# Altium PCB SNESDRONE_Direct_IO.PcbDoc
Units mm, origin at the board's own origin, x right, y up, seen from the top; angles counter-clockwise.
Board outline 106 x 114.5 mm, 2 copper layers (Top Layer, Bottom Layer), stack 1.336 mm thick; 28 components, 86 nets, 324 pads, 117 vias.
Unrouted connection lines stored in the file: 1.
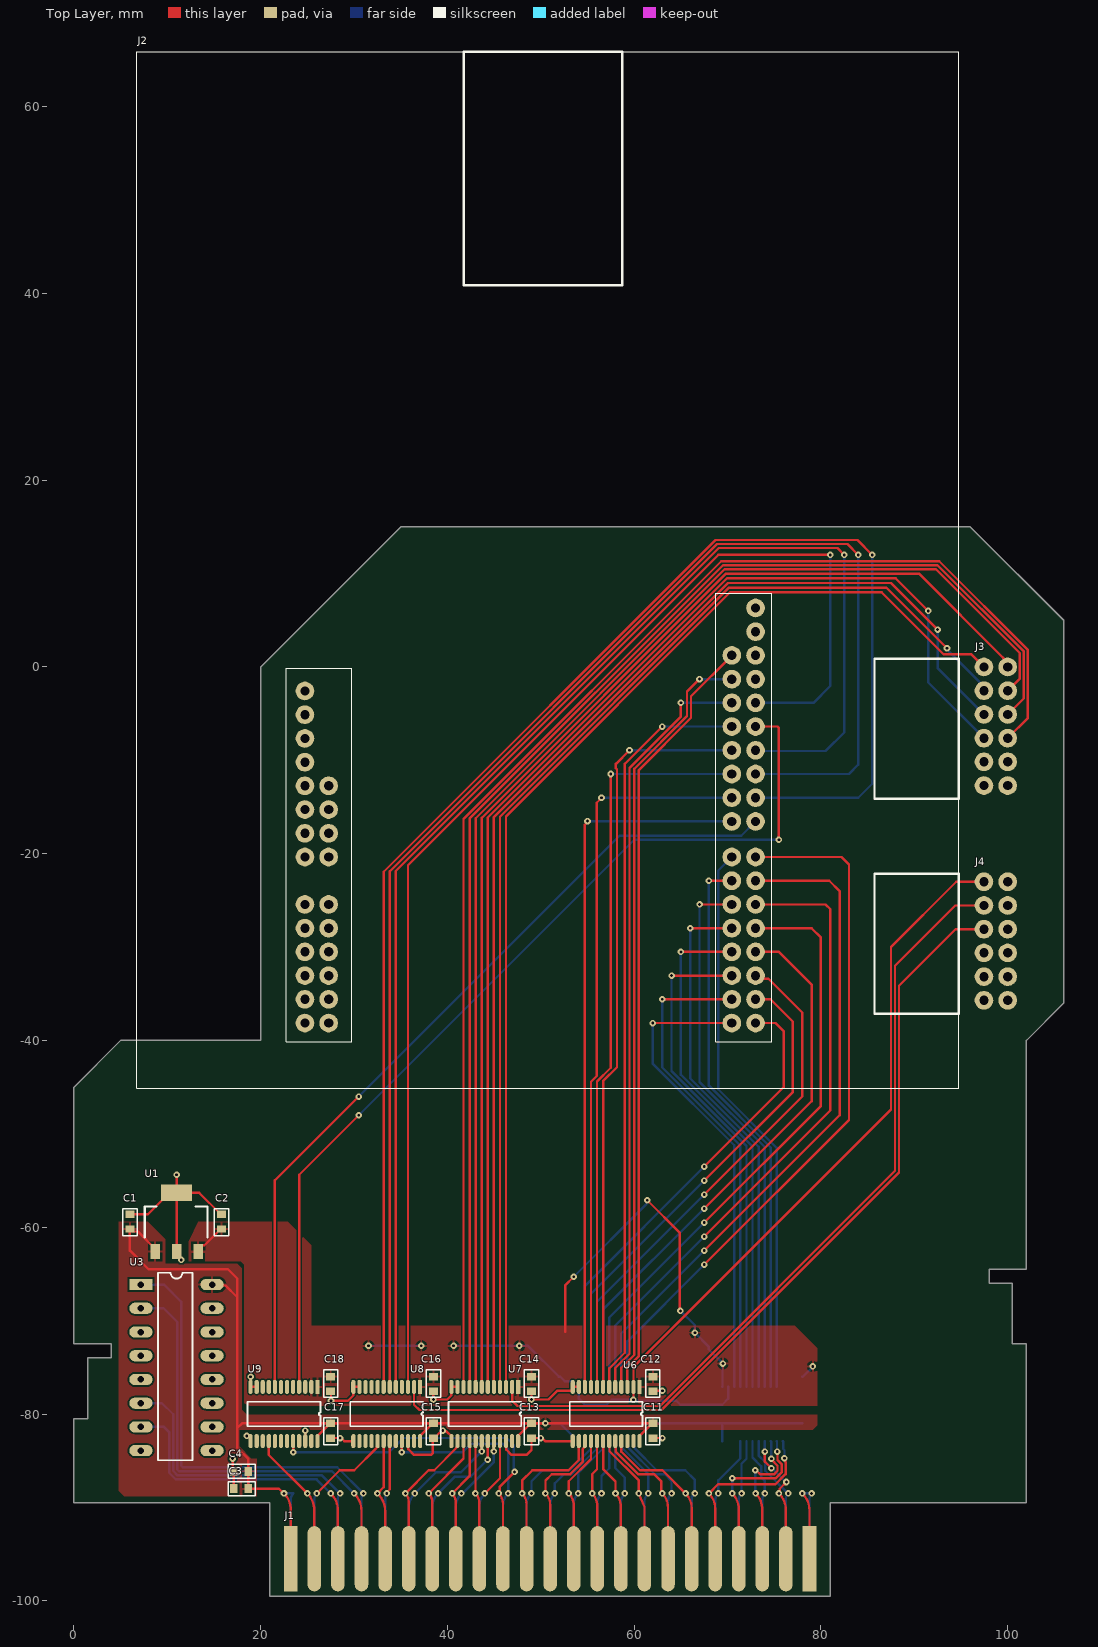
[diagram p0: Top Layer view]
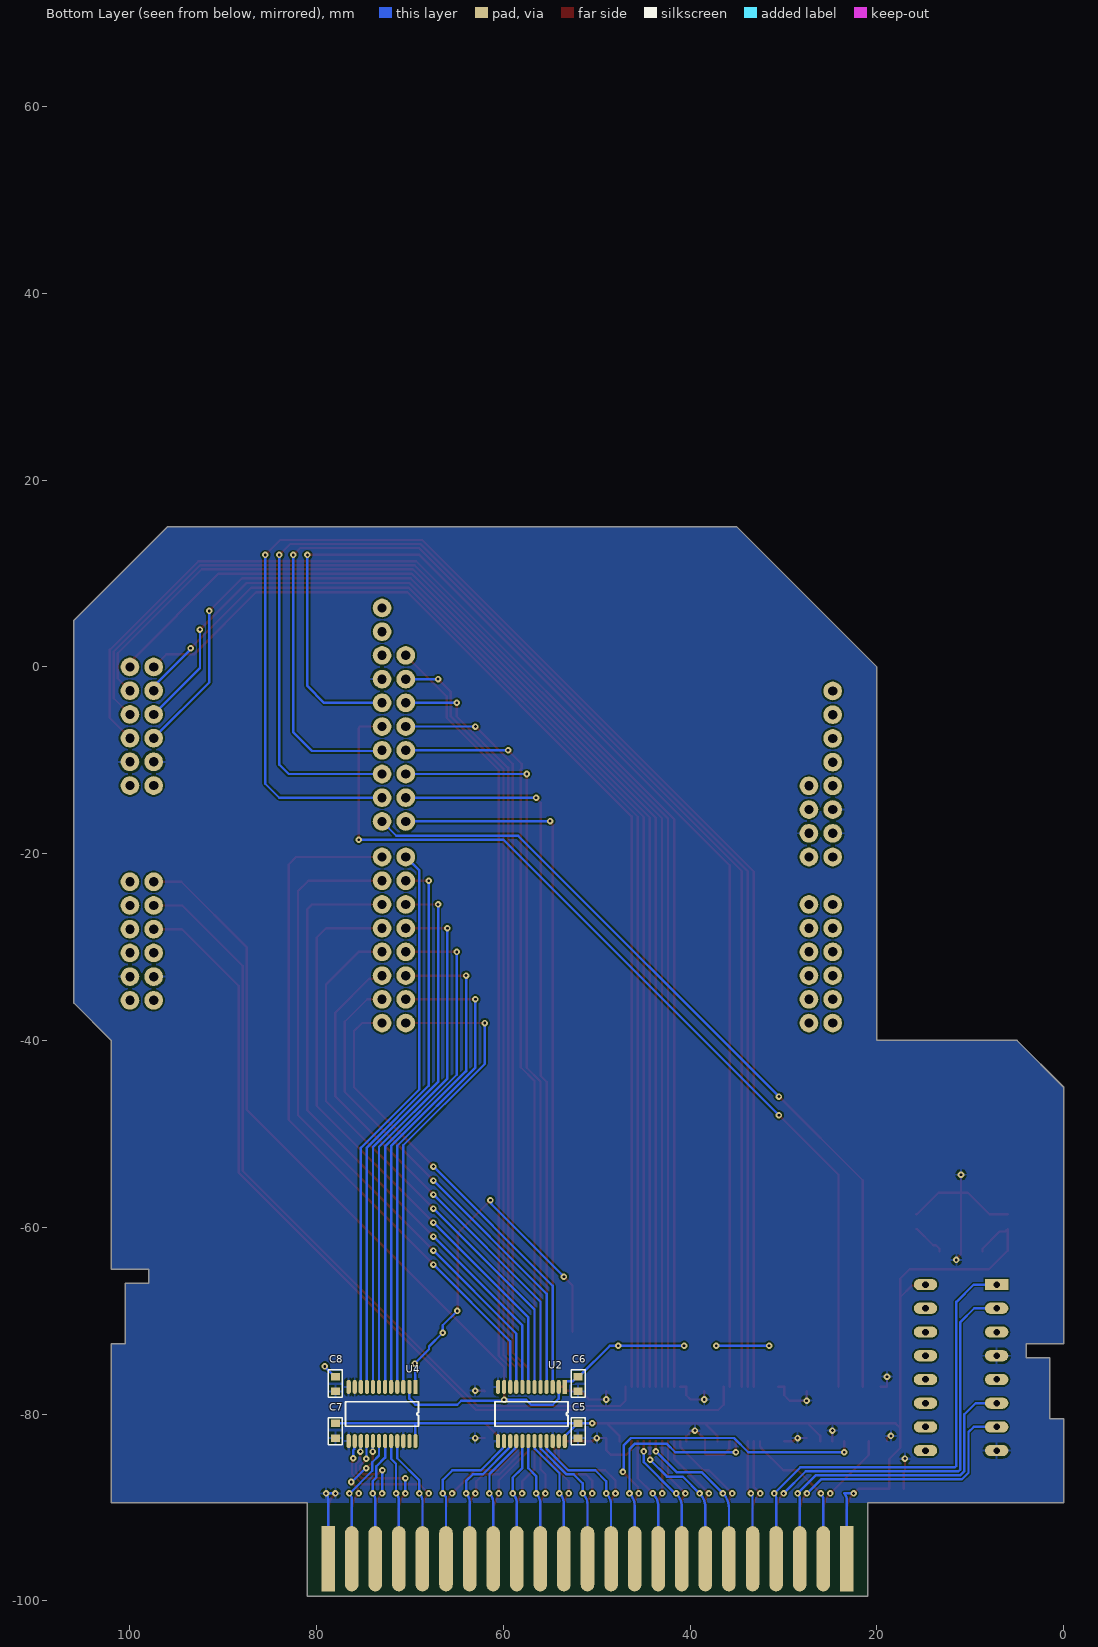
[diagram p1: Bottom Layer view, seen from below]

## Layer stack, top to bottom
Top Solder: solder mask 0.0102, Solder Resist, Dk 3.5
Top Layer: signal copper 0.018
Dielectric 1: dielectric 1.3, FR-4, Dk 4.8
Bottom Layer: signal copper 0.018
Bottom Solder: solder mask 0.0102, Solder Resist, Dk 3.5

## Board outline
106,5 96,15 35,15 20,0 20,-40 5,-40 0,-45 0,-72.5 4,-72.5 4,-74 1.5,-74 1.5,-80.5 0,-80.5 0,-89.5 21,-89.5 21,-99.5 81,-99.5 81,-89.5 102,-89.5 102,-72.5 100.5,-72.5 100.5,-66 98,-66 98,-64.5 102,-64.5 102,-40 106,-36

## Design rules (kind name [scope] priority, off if disabled: settings)
Clearance [All] p1: gap=0.178 ignorepadtopadclearanceinfootprint=FALSE
DiffPairsRouting [All] p1: maxlimit=0.254 minlimit=0.254 mostfreqgap=0.254 toplayer_minwidth=0.381 toplayer_maxwidth=0.381 toplayer_prefwidth=0.381 bottomlayer_minwidth=0.381 bottomlayer_maxwidth=0.381 bottomlayer_prefwidth=0.381 substack1={6B5BD0E4-9D6B-4097-8854-1DA9A06B9B7B} toplayer_{6b5bd0e4-9d6b-4097-8854-1da9a06b9b7b}_minwidth=0.381 toplayer_{6b5bd0e4-9d6b-4097-8854-1da9a06b9b7b}_maxwidth=0.381 toplayer_{6b5bd0e4-9d6b-4097-8854-1da9a06b9b7b}_prefwidth=0.381 bottomlayer_{6b5bd0e4-9d6b-4097-8854-1da9a06b9b7b}_minwidth=0.381 bottomlayer_{6b5bd0e4-9d6b-4097-8854-1da9a06b9b7b}_maxwidth=0.381 bottomlayer_{6b5bd0e4-9d6b-4097-8854-1da9a06b9b7b}_prefwidth=0.381 maxuncoupledlength=12.7
Height [All] p1: minheight=0 maxheight=50 prefheight=12.7
MinimumAnnularRing [All] p1: minimumring=0.15
PolygonConnect [All] p1: connectstyle=Relief reliefconductorwidth=0.254 reliefentries=4 polygonreliefangle="90 Angle" airgapwidth=0.254
RoomDefinition U_04-SNESDRONE_Direct_IO_LEVEL_SHIFTER_1 [InComponentClass('U_04-SNESDRONE_Direct_IO_LEVEL_SHIFTER_1')] p1: confinementstyle=ConfineIn formatcopy=TRUE lockcomponents=FALSE outline 103.5,-72 122.5,-72 122.5,-60.5 103.5,-60.5
RoomDefinition U_03-SNESDRONE_Direct_IO_LEVEL_SHIFTER_0 [InComponentClass('U_03-SNESDRONE_Direct_IO_LEVEL_SHIFTER_0')] p2: confinementstyle=ConfineIn formatcopy=TRUE lockcomponents=FALSE outline 103.5,-85 157,-85 157,-73.5 103.5,-73.5
RoomDefinition U_01-SNESDRONE_Direct_IO_PSU [InComponentClass('U_01-SNESDRONE_Direct_IO_PSU')] p3: confinementstyle=ConfineIn formatcopy=TRUE lockcomponents=FALSE outline 103,-98 120,-98 120,-86.5 103,-86.5
RoomDefinition U_06-SNESDRONE_Direct_IO_ARTY_Z7 [InComponentClass('U_06-SNESDRONE_Direct_IO_ARTY_Z7')] p4: confinementstyle=ConfineIn formatcopy=TRUE lockcomponents=FALSE outline 0,-99.5 216,-99.5 216,113.5 0,113.5
RoomDefinition U_05-SNESDRONE_Direct_IO_LEVEL_SHIFTER_2 [InComponentClass('U_05-SNESDRONE_Direct_IO_LEVEL_SHIFTER_2')] p5: confinementstyle=ConfineIn formatcopy=TRUE lockcomponents=FALSE outline 0,-99.5 207,-99.5 207,113 0,113
RoomDefinition U_07-SNESDRONE_Direct_IO_CART [InComponentClass('U_07-SNESDRONE_Direct_IO_CART')] p6: confinementstyle=ConfineIn formatcopy=TRUE lockcomponents=FALSE outline 0,-99.5 217.6,-99.5 217.6,125.925 0,125.925
RoutingVias [All] p1: holewidth=0.3 width=0.7 viastyle="Through Hole" minholewidth=0.3 minwidth=0.7 maxholewidth=0.3 maxwidth=0.6
SolderMaskExpansion [All] p1: expansion=0.102 istentingtop=FALSE
Width [All] p1: maxlimit=2.54 minlimit=0.203 preferedwidth=0.203 substack1={6B5BD0E4-9D6B-4097-8854-1DA9A06B9B7B} toplayer_{6b5bd0e4-9d6b-4097-8854-1da9a06b9b7b}_prefwidth=0.254 bottomlayer_{6b5bd0e4-9d6b-4097-8854-1da9a06b9b7b}_prefwidth=0.254
28 further rules are at their usual default settings.

## Classes and differential pairs
component class U_07-SNESDRONE_Direct_IO_CART: C3 C4 J1 U3
component class U_06-SNESDRONE_Direct_IO_ARTY_Z7: J2 J3 J4
component class U_05-SNESDRONE_Direct_IO_LEVEL_SHIFTER_2: C15 C16 C17 C18 U8 U9
component class U_04-SNESDRONE_Direct_IO_LEVEL_SHIFTER_1: C13 C14 U7
component class U_03-SNESDRONE_Direct_IO_LEVEL_SHIFTER_0: C5 C6 C7 C8 C11 C12 U2 U4 U6
component class U_01-SNESDRONE_Direct_IO_PSU: C1 C2 U1
net class D5V[0..7]: D5V0 D5V1 D5V2 D5V3 D5V4 D5V5 D5V6 D5V7
net class D3V[0..7]: D3V0 D3V1 D3V2 D3V3 D3V4 D3V5 D3V6 D3V7
net class A5V[0..23]: A5V0 A5V1 A5V2 A5V3 A5V4 A5V5 A5V6 A5V7 A5V8 A5V9 A5V10 A5V11 A5V12 A5V13 A5V14 A5V15 A5V16 A5V17 A5V18 A5V19 A5V20 A5V21 A5V22 A5V23
net class A3V[0..23]: A3V0 A3V1 A3V2 A3V3 A3V4 A3V5 A3V6 A3V7 A3V8 A3V9 A3V10 A3V11 A3V12 A3V13 A3V14 A3V15 A3V16 A3V17 A3V18 A3V19 A3V20 A3V21 A3V22 A3V23

## Components (designator, comment, footprint, x,y, rotation, side; value= is the part's Value field where it differs from the comment)
C1 "cap_0603" cap_0603 6,-59.4 r270 top value=4u7
C2 "cap_0603" cap_0603 15.8,-59.4 r270 top value=4u7
C3 "cap_0603" cap_0603 17.9,-88 r0 top value=100n
C4 "cap_0603" cap_0603 17.9,-86.136 r0 top value=10u
C5 "cap_0603" cap_0603 52,-81.787 r270 bottom value=100n
C6 "cap_0603" cap_0603 52,-76.788 r90 bottom value=100n
C7 "cap_0603" cap_0603 78,-81.787 r270 bottom value=100n
C8 "cap_0603" cap_0603 78,-76.788 r90 bottom value=100n
C11 "cap_0603" cap_0603 62,-81.787 r270 top value=100n
C12 "cap_0603" cap_0603 62,-76.788 r90 top value=100n
C13 "cap_0603" cap_0603 49,-81.787 r270 top value=100n
C14 "cap_0603" cap_0603 49,-76.788 r90 top value=100n
C15 "cap_0603" cap_0603 38.5,-81.787 r270 top value=100n
C16 "cap_0603" cap_0603 38.5,-76.788 r90 top value=100n
C17 "cap_0603" cap_0603 27.5,-81.787 r270 top value=100n
C18 "cap_0603" cap_0603 27.5,-76.788 r90 top value=100n
J1 "SNES Cartridge Connector" "SNES Cartridge Connector" 23.225,-95.5 r0 top net-tie
J2 "ARTY_Z7" arty-z7 24.74,-38.13 r0 top
J3 "ARTY_Z7_PMOD_A" arty-z7-pmod 97.46,-12.7 r0 top
J4 "ARTY_Z7_PMOD_B" arty-z7-pmod 97.46,-35.7 r0 top
U1 "AP2114HA-3.3TRG1" SOT223 11,-62.6 r0 top
U2 "IC_SN74LVCC3245APWR" TSSOP24 57,-80 r270 bottom
U3 "IC_D411A" DIP16 10.99,-69.95 r0 top net-tie
U4 "IC_SN74LVCC3245APWR" TSSOP24 73,-80 r270 bottom
U6 "IC_SN74LVCC3245APWR" TSSOP24 57,-80 r270 top
U7 "IC_SN74LVCC3245APWR" TSSOP24 44,-80 r270 top
U8 "IC_SN74LVCC3245APWR" TSSOP24 33.5,-80 r270 top
U9 "IC_SN74LVCC3245APWR" TSSOP24 22.5,-80 r270 top

## Footprints (in the part's own frame and the unit in brackets; to place one, negate y for a bottom-side part, rotate by r counter-clockwise, add the part's x,y. Pads: shape width x height; smd on the part's side, far side on the other; paste and mask are expansions set on the pad)
arty-z7 [mm] "Arty Z7 SoC Board Connector"
  round 2 hole 1: 0(0,35.56) 1(0,33.02) 2(0,30.48) 3(0,27.94) 4(0,25.4) 5(0,22.86) 6(0,20.32) 7(0,17.78) 8(2.54,17.78) 9(2.54,20.32) 10(2.54,22.86) 11(2.54,25.4) 12(0,12.7) 13(0,10.16) 14(0,7.62) 15(0,5.08) 16(0,2.54) 17(0,0) 18(2.54,0) 19(2.54,2.54) 20(2.54,5.08) 21(2.54,7.62) 22(2.54,10.16) 23(2.54,12.7) 24(45.72,17.78) 25(45.72,15.24) 26(45.72,12.7) 27(45.72,10.16) 28(45.72,7.62) 29(45.72,5.08) 30(45.72,2.54) 31(45.72,0) 32(48.26,0) 33(48.26,2.54) 34(48.26,5.08) 35(48.26,7.62) 36(48.26,10.16) 37(48.26,12.7) 38(48.26,15.24) 39(48.26,17.78) 40(45.72,39.37) 41(45.72,36.83) 42(45.72,34.29) 43(45.72,31.75) 44(45.72,29.21) 45(45.72,26.67) 46(45.72,24.13) 47(45.72,21.59) 48(48.26,21.59) 49(48.26,24.13) 50(48.26,26.67) 51(48.26,29.21) 52(48.26,31.75) 53(48.26,34.29) 54(48.26,36.83) 55(48.26,39.37) 56(48.26,41.91) 57(48.26,44.45)
  silkscreen extent -18,-7 70,104, body extent -17.75,-7.2 69.95,103.72, height 5.14
arty-z7-pmod [mm] "Arty Z7 SoC Board Connector"
  round 2 hole 1: 0(0,12.7) 1(0,10.16) 2(0,7.62) 3(0,5.08) 4(0,2.54) 5(0,0) 6(2.54,0) 7(2.54,2.54) 8(2.54,5.08) 9(2.54,7.62) 10(2.54,10.16) 11(2.54,12.7)
cap_0603 [mm]
  rect 0.8x0.965 smd: 1(-0.787,0) 2(0.788,0)
  silkscreen extent -1.4,-0.76 1.52,0.76, body extent -0.8,-0.38 0.8,0.42, height 0.8
DIP16 [mm]
  rect 2.5x1.2 hole 0.7: 1(-3.81,3.81)
  oval 2.5x1.2 hole 0.7: 2(-3.81,1.27) 3(-3.81,-1.27) 4(-3.81,-3.81) 5(-3.81,-6.35) 6(-3.81,-8.89) 7(-3.81,-11.43) 8(-3.81,-13.97) 9(3.81,-13.97) 10(3.81,-11.43) 11(3.81,-8.89) 12(3.81,-6.35) 13(3.81,-3.81) 14(3.81,-1.27) 15(3.81,1.27) 16(3.81,3.81)
  silkscreen extent -2,-15 1.73,5.08, body extent -3.93,-14.98 3.94,4.98, height 5.2
"SNES Cartridge Connector" [mm]
  rect 1.45x7 smd far side: 5(55.55,0) 27(0,0)
  oval 1.45x7 smd far side: 6(53.025,0) 7(50.5,0) 8(47.975,0) 9(45.45,0) 10(42.925,0) 11(40.4,0) 12(37.875,0) 13(35.35,0) 14(32.825,0) 15(30.3,0) 16(27.775,0) 17(25.25,0) 18(22.725,0) 19(20.2,0) 20(17.675,0) 21(15.15,0) 22(12.625,0) 23(10.1,0) 24(7.575,0) 25(5.05,0) 26(2.525,0)
  rect 1.45x7 smd: 36(55.55,0) 58(0,0)
  oval 1.45x7 smd: 37(53.025,0) 38(50.5,0) 39(47.975,0) 40(45.45,0) 41(42.925,0) 42(40.4,0) 43(37.875,0) 44(35.35,0) 45(32.825,0) 46(30.3,0) 47(27.775,0) 48(25.25,0) 49(22.725,0) 50(20.2,0) 51(17.675,0) 52(15.15,0) 53(12.625,0) 54(10.1,0) 55(7.575,0) 56(5.05,0) 57(2.525,0)
SOT223 [mm]
  rect 1x1.6 smd: 1(-2.3,0) 2(0,0) 3(2.3,0)
  rect 3.3x1.8 smd: 2(0,6.3)
  silkscreen extent -3.43,1.52 3.3,4.83, body extent -3.36,-0.33 3.3,6.68, height 1.64
TSSOP24 [mm]
  rect 1.5x0.45 smd: 1(-2.9,3.575)
  oval 1.5x0.45 smd: 2(-2.9,2.925) 3(-2.9,2.275) 4(-2.9,1.625) 5(-2.9,0.975) 6(-2.9,0.325) 7(-2.9,-0.325) 8(-2.9,-0.975) 9(-2.9,-1.625) 10(-2.9,-2.275) 11(-2.9,-2.925) 12(-2.9,-3.575) 13(2.9,-3.575) 14(2.9,-2.925) 15(2.9,-2.275) 16(2.9,-1.625) 17(2.9,-0.975) 18(2.9,-0.325) 19(2.9,0.325) 20(2.9,0.975) 21(2.9,1.625) 22(2.9,2.275) 23(2.9,2.925) 24(2.9,3.575)
  silkscreen extent -1.32,-3.9 1.32,3.9, body extent -3.18,-3.88 3.22,3.92, height 1.21

## Part data
C1 C2 C3 C4 C5 C6 C7 C8 C11 C12 C13 C14 C15 C16 C17 C18: "Capacitor"
J2 J3 J4: "Connections to Arty Z7 SoC Board"
U1: "PMIC - Spannungsregler - Linear Positiv Fest 1 Ausgang 1A SOT-223-3"
U2 U4 U6 U7 U8 U9: "Bus-Transceiver, Produktreihe LVC, 8 Eingänge, 50mA, 7ns, 2.3V bis 5.5V, TSSOP 24", Manufacturer 1="TEXAS INSTRUMENTS", Manufacturer Part Number 1=SN74LVCC3245APWR, Supplier Part Number 1=2854646, ComponentLink3Description=datsheet, ComponentLink3URL=http://www.ti.com/lit/ds/symlink/sn74lvcc3245a.pdf, ComponentLink4Description=farnell, ComponentLink4URL=https://at.farnell.com/texas-instruments/sn74lvcc3245apwr/bus-transceiver-8bit-tssop-24/dp/2854646?rpsku=rel3%3A2119962&st=2119962, Supplier 1=Farnell, Supplier Order Qty 1=1, Supplier Unit Price 1=0,99
U3: "SNES CIC Chip", ComponentLink1Description=info, ComponentLink1URL=https://wiki.superfamicom.org/cic

## Via types
v1: diameter 0.7, hole 0.3, Top Layer to Bottom Layer, 117 vias

## Nets (pads, with @x,y where several pads share a name; then routed paths per layer and width w, separated by ;. In a path a pad name is that pad's centre, name@x,y a point inside that pad or via, vN(x,y) a via of type N, cw(c..) or ccw(c..) an arc to the next point about the centre after c; other vN are vias at no path point)
+3V3: C2.2 C6.2 C8.2 C12.2 C14.2 C16.2 C18.2 U1.3 U2.1 U4.1 U6.1 U7.1 U8.1 U9.1 U9.2 | length 67
  Top Layer w0.254: U1.3 13.3,-62.3 13.673,-61.927 13.978,-61.927 15.717,-60.187 C2.2 ; 52.6,-71.2 52.6,-66.225 v1(53.525,-65.3) ; v1(61.4,-57.1) 64.9,-60.6 64.9,-68.904 v1(64.95,-68.954)
  Bottom Layer w0.254: v1(31.55,-72.7) v1(37.202,-72.7) ; v1(40.658,-72.7) v1(47.702,-72.7) 48.617,-72.7 51.918,-76 C6.2 52.082,-76 52.559,-76.477 53.327,-76.477 53.425,-76.575 U2.1 ; v1(53.525,-65.3) 61.315,-57.51 61.315,-57.185 v1(61.4,-57.1) ; v1(64.95,-68.954) 66.5,-70.504 v1(66.5,-71.3) 67.97,-72.77 67.97,-73.07 v1(69.5,-74.6) 69.462,-74.638 69.462,-77.062 U4.1 ; C8.2 78.082,-76 79.127,-74.955 v1(79.127,-74.9)
+5V: C1.2 C3.2 C4.2 C5.1 C7.1 C11.1 C13.1 C15.1 C17.1 J1.27 J1.58 U1.1 U2.24 U3.16 U4.24 U6.24 U7.24 U8.24 U9.24 | length 150.9
  Top Layer w0.254: U1.1 8.7,-62.3 6.86,-60.461 6.273,-60.461 C1.2 6,-62.5 8,-64.5 16.5,-64.5 17.5,-65.5 17.5,-67.5 ; U3.16 14.895,-66.235 16.235,-66.235 17.5,-67.5 ; J1.58 23.225,-90.25 ccw(c20.75,-90.25) v1(22.5,-88.5) 22.466,-88.5 21.966,-88 C3.2 C4.2 18.688,-84.832 17.5,-83.644 17.5,-81.5 ; U9.24 26.075,-82.342 C17.1@27.418,-81 ; U8.24 37.075,-82.342 C15.1@38.417,-81 ; U7.24 47.575,-82.342 C13.1@48.918,-81 ; U6.24 60.575,-82.342 C11.1@61.918,-81 ; C11.1 C11.1@61.918,-81 ; 17.5,-81.5 17.5,-67.5 ; 17.5,-81.5 18,-81 C17.1@27.418,-81 ; C17.1@27.418,-81 C17.1 C15.1@38.417,-81 ; C15.1@38.417,-81 C15.1 C13.1@48.918,-81 ; C13.1@48.918,-81 C13.1 v1(50.5,-81) C11.1@61.918,-81
  Bottom Layer w0.254: v1(22.5,-88.5) 23.5,-88.5 ccw(c24.164,-89.164) 23.225,-89.164 J1.27 ; v1(50.5,-81) C5.1 C5.1@52.082,-81 ; U2.24 53.425,-82.342 C5.1@52.082,-81 ; U4.24 69.425,-81 ; C7.1 69.425,-81 ; C5.1@52.082,-81 69.425,-81
A3V0: J2.32 U2.3 | length 50.3
  Top Layer w0.254: v1(67.5,-53.5) 76,-45 76,-39 75.13,-38.13 J2.32
  Bottom Layer w0.254: U2.3 54.725,-66.275 v1(67.5,-53.5)
A3V1: J2.33 U2.4 | length 53.1
  Top Layer w0.254: v1(67.5,-55) 77,-45.5 77,-38 74.59,-35.59 J2.33
  Bottom Layer w0.254: U2.4 55.375,-67.125 v1(67.5,-55)
A3V2: J2.34 U2.5 | length 55.8
  Top Layer w0.254: v1(67.5,-56.5) 78,-46 78,-37 74.381,-33.381 73.331,-33.381 J2.34
  Bottom Layer w0.254: U2.5 56.025,-67.975 v1(67.5,-56.5)
A3V3: J2.35 U2.6 | length 59.8
  Top Layer w0.254: v1(67.5,-58) 79,-46.5 79,-34 75.51,-30.51 J2.35
  Bottom Layer w0.254: U2.6 56.675,-68.825 v1(67.5,-58)
A3V4: J2.36 U2.7 | length 64.9
  Top Layer w0.254: v1(67.5,-59.5) 80,-47 80,-28.97 79,-27.97 J2.36
  Bottom Layer w0.254: U2.7 57.325,-69.675 v1(67.5,-59.5)
A3V5: J2.37 U2.8 | length 68.9
  Top Layer w0.254: v1(67.5,-61) 81,-47.5 81,-25.93 80.5,-25.43 J2.37
  Bottom Layer w0.254: U2.8 57.975,-70.525 v1(67.5,-61)
A3V6: J2.38 U2.9 | length 72.2
  Top Layer w0.254: v1(67.5,-62.5) 82,-48 82,-24 80.89,-22.89 J2.38
  Bottom Layer w0.254: U2.9 58.625,-71.375 v1(67.5,-62.5)
A3V7: J2.39 U2.10 | length 76.1
  Top Layer w0.254: v1(67.5,-64) 83,-48.5 83,-21.149 82.201,-20.35 J2.39
  Bottom Layer w0.254: U2.10 59.275,-72.225 v1(67.5,-64)
A3V8: J2.31 U4.3 | length 51.4
  Top Layer w0.254: v1(62,-38.13) J2.31
  Bottom Layer w0.254: v1(62,-38.13) 62,-42.5 70.725,-51.225 U4.3 ; J2.31 J2.31@70.687,-38.357
A3V9: J2.30 U4.4 | length 52.4
  Top Layer w0.254: v1(63,-35.59) J2.30
  Bottom Layer w0.254: v1(63,-35.59) 63,-42.889 71.375,-51.264 U4.4
A3V10: J2.29 U4.5 | length 53.8
  Top Layer w0.254: v1(64,-33.05) J2.29
  Bottom Layer w0.254: v1(64,-33.05) 64,-43.279 72.025,-51.304 U4.5
A3V11: J2.28 U4.6 | length 55.2
  Top Layer w0.254: v1(65,-30.51) J2.28
  Bottom Layer w0.254: v1(65,-30.51) 65,-43.668 72.675,-51.343 U4.6
A3V12: J2.27 U4.7 | length 56.6
  Top Layer w0.254: v1(66,-27.97) J2.27
  Bottom Layer w0.254: v1(66,-27.97) 66,-44.057 73.325,-51.382 U4.7
A3V13: J2.26 U4.8 | length 58
  Top Layer w0.254: v1(67,-25.43) J2.26
  Bottom Layer w0.254: v1(67,-25.43) 67,-44.447 73.975,-51.422 U4.8
A3V14: J2.25 U4.9 | length 59.4
  Top Layer w0.254: v1(68,-22.89) J2.25
  Bottom Layer w0.254: v1(68,-22.89) 68,-44.836 74.625,-51.461 U4.9
A3V15: J2.24 U4.10 | length 60
  Bottom Layer w0.254: J2.24 69,-21.81 69,-45.225 75.275,-51.5 U4.10
A3V16: J2.40 U6.3 | length 83
  Top Layer w0.254: U6.3 59.275,-75 60.5,-73.775 60.5,-11.027 66.087,-5.441 66.087,-3.133 J2.40
A3V17: J2.41 U6.4 | length 82.7
  Top Layer w0.254: U6.4 58.625,-75.039 60,-73.664 60,-10.917 65.655,-5.262 65.655,-2.639 v1(66.997,-1.297)
  Bottom Layer w0.254: v1(66.997,-1.297) 66.998,-1.298 70.458,-1.298 J2.41
A3V18: J2.42 U6.5 | length 81.6
  Top Layer w0.254: U6.5 57.975,-75.079 59.5,-73.554 59.5,-10.806 65,-5.306 v1(65,-3.84)
  Bottom Layer w0.254: v1(65,-3.84) J2.42
A3V19: J2.43 U6.6 | length 80.5
  Top Layer w0.254: U6.6 57.325,-75.118 59,-73.443 59,-10.38 v1(63,-6.38)
  Bottom Layer w0.254: v1(63,-6.38) J2.43
A3V20: J2.44 U6.7 | length 80.4
  Top Layer w0.254: U6.7 56.675,-44.348 58.155,-42.868 58.155,-10.951 58.045,-10.841 58.045,-10.375 v1(59.5,-8.92)
  Bottom Layer w0.254: v1(59.5,-8.92) J2.44
A3V21: J2.45 U6.8 | length 79.2
  Top Layer w0.254: U6.8 56.025,-44.387 57.5,-42.912 v1(57.5,-11.46)
  Bottom Layer w0.254: v1(57.5,-11.46) J2.45
A3V22: J2.46 U6.9 | length 77.5
  Top Layer w0.254: U6.9 55.375,-44.426 56,-43.801 56,-14.534 56.5,-14.034 v1(56.5,-14)
  Bottom Layer w0.254: v1(56.5,-14) J2.46
A3V23: J2.47 U6.10 | length 76.2
  Top Layer w0.254: U6.10 54.725,-16.896 55,-16.621 v1(55,-16.5)
  Bottom Layer w0.254: v1(55,-16.5) 55.02,-16.52 70.44,-16.52 J2.47
A5V0: J1.17 U2.21 | length 17.1
  Bottom Layer w0.254: J1.17 48.475,-89.767 cw(c50.267,-89.767) v1(49,-88.5) 49,-87.2 50.17,-86.03 53.07,-86.03 55.35,-83.75 55.35,-82.925 U2.21
A5V1: J1.16 U2.20 | length 15.1
  Bottom Layer w0.254: J1.16 51,-89.707 cw(c52.707,-89.707) v1(51.5,-88.5) 51.5,-87.425 52.464,-86.461 53.249,-86.461 55.987,-83.723 55.987,-82.938 U2.20
A5V2: J1.15 U2.19 | length 13.8
  Bottom Layer w0.254: J1.15 53.525,-89.647 cw(c55.147,-89.647) v1(54,-88.5) 54,-86.35 56.637,-83.713 56.637,-82.938 U2.19
A5V3: J1.14 U2.18 | length 13.1
  Bottom Layer w0.254: J1.14 56.05,-89.586 cw(c57.586,-89.586) v1(56.5,-88.5) 56.5,-86.636 57.325,-85.811 U2.18
A5V4: J1.13 U2.17 | length 13.1
  Bottom Layer w0.254: U2.17 57.975,-85.775 59,-86.8 v1(59,-88.5) ccw(c60.026,-89.526) 58.575,-89.526 J1.13
A5V5: J1.12 U2.16 | length 13.9
  Bottom Layer w0.254: U2.16 58.625,-83.478 58.723,-83.576 58.723,-83.641 61.5,-86.418 v1(61.5,-88.5) ccw(c62.466,-89.466) 61.1,-89.466 J1.12
A5V6: J1.11 U2.15 | length 15.3
  Bottom Layer w0.254: U2.15 59.275,-83.478 59.395,-83.598 59.395,-83.644 62.2,-86.45 63.275,-86.45 64,-87.175 v1(64,-88.5) ccw(c64.905,-89.405) 63.625,-89.405 J1.11
A5V7: J1.10 U2.14 | length 17.3
  Bottom Layer w0.254: U2.14 59.925,-83.478 60.045,-83.598 60.045,-83.644 62.419,-86.018 65.468,-86.018 66.5,-87.05 66.5,-88.522 66.15,-88.872 J1.10
  other v1: 66.5,-88.5
A5V8: J1.9 U4.21 | length 13.7
  Bottom Layer w0.254: J1.9 68.675,-89.285 cw(c69.785,-89.285) v1(69,-88.5) 69,-87.105 71.375,-84.73 U4.21
A5V9: J1.8 U4.20 | length 12.9
  Bottom Layer w0.254: J1.8 71.2,-89.224 cw(c72.224,-89.224) v1(71.5,-88.5) 71.5,-85.325 72.025,-84.8 U4.20
A5V10: J1.7 U4.19 | length 13.2
  Bottom Layer w0.254: U4.19 72.675,-84.675 73.613,-85.613 73.613,-86.803 74,-87.19 v1(74,-88.5) ccw(c74.664,-89.164) 73.725,-89.164 J1.7
A5V11: J1.6 U4.18 | length 14
  Bottom Layer w0.254: U4.18 73.325,-84.45 74.045,-85.17 74.045,-86.083 76.463,-88.5 v1(76.5,-88.5) ccw(c77.104,-89.104) 76.25,-89.104 J1.6
A5V12: J1.37 U4.17 | length 14.2
  Top Layer w0.254: v1(74,-84.025) 74,-85.111 v1(74.7,-85.811) ; J1.37 76.25,-90.302 ccw(c73.71,-90.302) 75.506,-88.506 v1(75.5,-88.5) 75.585,-88.415 75.585,-87.999 v1(76.304,-87.281)
  Bottom Layer w0.254: U4.17 73.987,-82.913 73.987,-84.012 v1(74,-84.025) ; v1(74.7,-85.811) 74.767,-85.811 76.237,-87.281 v1(76.304,-87.281)
A5V13: J1.38 U4.16 | length 15.9
  Top Layer w0.254: v1(72.959,-86.03) 73.079,-86.03 73.516,-86.466 74.971,-86.466 75.355,-86.083 75.355,-85.54 74.7,-84.885 v1(74.7,-84.8) ; v1(73,-88.5) cw(c71.25,-90.25) 73.725,-90.25 J1.38
  Bottom Layer w0.254: v1(72.959,-86.03) 72.979,-86.05 72.979,-88.479 v1(73,-88.5) ; U4.16 74.662,-82.938 74.662,-84.762 v1(74.7,-84.8)
A5V14: J1.39 U4.15 | length 17.9
  Top Layer w0.254: v1(70.5,-88.5) cw(c68.81,-90.19) 71.2,-90.19 J1.39 ; v1(70.5,-86.874) 70.524,-86.898 75.15,-86.898 75.787,-86.261 75.787,-85.361 75.355,-84.929 75.355,-84.063 v1(75.317,-84.025)
  Bottom Layer w0.254: v1(70.5,-88.5) v1(70.5,-86.874) ; U4.15 75.296,-82.921 75.296,-84.004 v1(75.317,-84.025)
A5V15: J1.40 U4.14 | length 19.9
  Top Layer w0.254: J1.40 68.675,-90.135 ccw(c66.371,-90.135) v1(68,-88.506) 68.977,-87.529 75.13,-87.529 76.218,-86.44 76.218,-85.182 76.179,-85.143 76.179,-84.828 v1(76.094,-84.743)
  Bottom Layer w0.254: U4.14 75.963,-82.938 75.963,-83.744 76.094,-83.876 v1(76.094,-84.743)
A5V16: J1.41 U6.21 | length 17
  Top Layer w0.254: U6.21 58.625,-84.025 60.63,-86.03 63.03,-86.03 v1(65.5,-88.5) cw(c63.931,-90.069) 66.15,-90.069 J1.41
A5V17: J1.42 U6.20 | length 15.9
  Top Layer w0.254: U6.20 58.013,-82.938 58.013,-84.023 60.451,-86.461 62.161,-86.461 62.915,-87.215 62.915,-88.415 v1(63,-88.5) cw(c61.491,-90.009) 63.625,-90.009 J1.42
A5V18: J1.43 U6.19 | length 14
  Top Layer w0.254: U6.19 57.363,-82.938 57.363,-83.984 60.5,-87.121 v1(60.5,-88.5) 61.1,-89.948 J1.43
A5V19: J1.44 U6.18 | length 13.3
  Top Layer w0.254: U6.18 56.675,-85.902 58,-87.227 v1(58,-88.506) cw(c56.612,-89.894) 58.575,-89.894 J1.44
A5V20: J1.45 U6.17 | length 13
  Top Layer w0.254: U6.17 56.025,-85.925 55.5,-86.45 v1(55.5,-88.5) cw(c54.172,-89.828) 56.05,-89.828 J1.45
A5V21: J1.46 U6.16 | length 13.7
  Top Layer w0.254: J1.46 53.525,-89.773 ccw(c51.733,-89.773) v1(53,-88.506) 53,-87.202 55.375,-84.827 U6.16
A5V22: J1.47 U6.15 | length 15.6
  Top Layer w0.254: J1.47 51,-89.707 ccw(c49.293,-89.707) v1(50.5,-88.5) 50.5,-87.125 51.175,-86.45 53.142,-86.45 54.507,-85.084 54.507,-83.742 54.605,-83.644 54.605,-83.598 54.725,-83.478 U6.15
A5V23: J1.48 U6.14 | length 17.5
  Top Layer w0.254: J1.48 48.475,-89.647 ccw(c46.853,-89.647) v1(48,-88.5) 48,-87.115 49.097,-86.018 52.963,-86.018 54.075,-84.906 U6.14
ADRLVL_DIR: J4.0 U2.2 U4.2 U6.2 | length 92.2
  Top Layer w0.254: v1(59.925,-78.482) 59.925,-74.961 87.5,-47.386 87.5,-30 94.5,-23 J4.0
  Bottom Layer w0.254: U2.2 54.075,-78.35 54.725,-79 57.05,-79 57.569,-78.482 v1(59.925,-78.482) ; v1@59.925,-78.572 64.521,-78.572 64.95,-79 69.425,-79 70.075,-78.35 U4.2
D3V0: J3.0 U7.3 | length 125.5
  Top Layer w0.254: U7.3 46.275,-16 70.275,8 86.5,8 93.155,1.345 96.115,1.345 J3.0
D3V1: J3.1 U7.4 | length 128
  Top Layer w0.254: U7.4 45.625,-16.039 70.164,8.5 87,8.5 v1(93.5,2)
  Bottom Layer w0.254: v1(93.5,2) 93.5,1.879 97.46,-2.081 J3.1
D3V2: J3.2 U7.5 | length 132.1
  Top Layer w0.254: U7.5 44.975,-16.078 70.053,9 87.5,9 v1(92.5,4)
  Bottom Layer w0.254: v1(92.5,4) 92.5,-0.12 J3.2
D3V3: J3.3 U7.6 | length 136.3
  Top Layer w0.254: U7.6 44.325,-16.118 69.943,9.5 88,9.5 v1(91.5,6)
  Bottom Layer w0.254: v1(91.5,6) 91.5,-1.66 J3.3
D3V4: J3.11 U7.7 | length 132.5
  Top Layer w0.254: U7.7 43.675,-16.157 69.832,10 90.5,10 99.527,0.973 99.527,0.945 100,0.472 J3.11
D3V5: J3.10 U7.8 | length 138.5
  Top Layer w0.254: U7.8 43.025,-16.196 69.689,10.468 92.311,10.468 101.305,1.474 101.305,-1.235 J3.10
D3V6: J3.9 U7.9 | length 142.7
  Top Layer w0.254: U7.9 42.375,-16.236 69.51,10.9 92.49,10.9 101.737,1.653 101.737,-3.343 J3.9
D3V7: J3.8 U7.10 | length 147
  Top Layer w0.254: U7.10 41.725,-16.275 69.332,11.332 92.668,11.332 102.168,1.832 102.168,-5.452 J3.8
D5V0: J1.19 U7.21 | length 13.4
  Top Layer w0.254: v1(44,-88.506) 45.632,-86.874 45.632,-82.907 U7.21
  Bottom Layer w0.254: J1.19 43.425,-89.894 cw(c45.388,-89.894) v1(44,-88.506)
D5V1: J1.20 U7.20 | length 14.3
  Top Layer w0.254: U7.20 U7.20 44.976,-83.999 v1(44.977,-84)
  Bottom Layer w0.254: J1.20 40.9,-89.955 cw(c42.949,-89.955) v1(41.5,-88.506) 41.62,-88.506 44.977,-85.149 v1(44.977,-84)
D5V2: J1.21 U7.19 | length 16
  Top Layer w0.254: v1(44.3,-84.9) 44.322,-84.878 44.322,-82.903 U7.19
  Bottom Layer w0.254: J1.21 38.375,-90.009 cw(c40.509,-90.009) v1(39,-88.5) 40.8,-86.7 42.5,-86.7 v1(44.3,-84.9)
D5V3: J1.22 U7.18 | length 17.3
  Top Layer w0.254: v1(43.667,-84.005) 43.671,-84.002 43.671,-82.904 U7.18
  Bottom Layer w0.254: J1.22 35.85,-90.069 cw(c38.069,-90.069) v1(36.5,-88.5) 38.747,-86.253 41.42,-86.253 v1(43.667,-84.005)
D5V4: J1.50 U7.17 | length 12.7
  Top Layer w0.254: U7.17 43.012,-82.913 43.012,-88.488 v1(43,-88.5) cw(c41.974,-89.526) 43.425,-89.526 J1.50
D5V5: J1.51 U7.16 | length 13.5
  Top Layer w0.254: J1.51 40.9,-89.45 ccw(c39.565,-89.45) v1(40.509,-88.506) 42.375,-86.64 U7.16
D5V6: J1.52 U7.15 | length 14.2
  Top Layer w0.254: J1.52 38.375,-89.405 ccw(c37.095,-89.405) v1(38,-88.5) 41.725,-84.775 U7.15
D5V7: J1.53 U7.14 | length 15.4
  Top Layer w0.254: J1.53 35.85,-89.345 ccw(c34.655,-89.345) v1(35.5,-88.5) 37.982,-86.018 38.581,-86.018 40.955,-83.644 40.955,-83.598 41.075,-83.478 U7.14
DATLVL_DIR: J4.1 U7.2 | length 87.3
  Top Layer w0.254: U7.2 46.925,-78.572 47.49,-79.136 62.753,-79.136 87.932,-53.958 87.932,-31.998 94.39,-25.54 J4.1
GND: C1.1 C2.1 C3.1 C4.1 C5.2 C6.1 C7.2 C8.1 C11.2 C12.1 C13.2 C14.1 C15.2 C16.1 C17.2 C18.1 J1.5 J1.36 J2.5 J2.6 J2.9 J2.54 J3.4 J3.7 J4.4 J4.7 U1.2 U2.11 U2.12 U2.13 U2.22 U3.4 U3.8 U4.11 U4.12 U4.13 U4.22 U6.11 U6.12 U6.13 U6.22 U7.11 U7.12 U7.13 U7.22 U8.11 U8.12 U8.13 U8.22 U9.11 U9.12 U9.13 U9.22 | length 82.8
  Top Layer w0.254: C1.1 7.937,-58.612 10.25,-56.3 U1.2@11,-56.3 ; v1(11,-54.375) U1.2@11,-56.3 ; v1(11.5,-63.5) 11.5,-63.4 11,-62.9 11,-62.6 U1.2@11,-56.3 ; C2.1 15.717,-58.612 13.405,-56.3 U1.2@11,-56.3 ; v1(17,-84.775) 17,-86.024 C4.1 C3.1 ; v1(18.5,-82.342) 18.58,-82.422 18.834,-82.422 18.925,-82.513 U9.13 ; v1(18.925,-76) U9.12 U9.11 ; U9.22 v1(24.775,-81.772) ; C17.2 v1(28.5,-82.575) 28.621,-82.575 28.946,-82.9 U8.13 ; C18.1 27.531,-77.606 v1(27.531,-78.572) 29.353,-78.572 29.925,-78 U8.12 U8.11 ; U8.22 35.813,-82.938 35.813,-83.762 36.425,-84.375 38.269,-84.375 38.417,-84.226 38.417,-82.658 C15.2 38.582,-82.575 39.385,-81.772 v1(39.5,-81.772) 39.585,-81.858 39.908,-81.858 40.425,-82.375 U7.13 ; C16.1 v1(38.5,-78.448) 39.977,-78.448 40.425,-78 U7.12 U7.11 ; U7.22 46.313,-82.938 46.313,-83.834 46.853,-84.375 48.475,-84.375 49,-83.85 C13.2 v1(50,-82.575) 50.121,-82.575 50.446,-82.9 U6.13 ; C14.1 v1(49,-78.448) 50.835,-78.448 51.785,-77.498 53.334,-77.498 53.425,-77.407 U6.12 U6.11 ; C11.2 v1(63.03,-82.575) ; C12.1 62.075,-77.5 v1(63.03,-77.5) ; v1(78,-88.5) 78.031,-88.531 cw(c76.235,-90.327) 78.775,-90.327 J1.36
  Bottom Layer w0.254: v1(78,-88.5) v1(79,-88.5) ccw(c79.543,-89.043) 78.775,-89.043 J1.5
NetJ1_24: J1.24 U3.1 | length 50.4
  Bottom Layer w0.254: U3.1 9.64,-66.14 11.495,-67.995 11.495,-85.556 11.644,-85.705 28.205,-85.705 v1(31,-88.5) ccw(c31.483,-88.983) 30.8,-88.983 J1.24
NetJ1_25: J1.25 U3.6 | length 35.9
  Bottom Layer w0.254: U3.6 9.44,-78.84 10.632,-80.032 10.632,-86.109 11.091,-86.568 26.568,-86.568 v1(28.5,-88.5) ccw(c29.043,-89.043) 28.275,-89.043 J1.25
NetJ1_55: J1.55 U3.2 | length 47.5
  Top Layer w0.254: v1(30,-88.506) 30.056,-88.562 cw(c28.26,-90.358) 30.8,-90.358 J1.55
  Bottom Layer w0.254: U3.2 9.58,-68.68 11.064,-70.164 11.064,-85.93 11.27,-86.136 27.63,-86.136 v1(30,-88.506)
NetJ1_56: J1.56 U3.7 | length 33
  Top Layer w0.254: v1(27.5,-88.506) 27.531,-88.537 cw(c25.735,-90.333) 28.275,-90.333 J1.56
  Bottom Layer w0.254: U3.7 9.64,-81.38 10.2,-81.94 10.2,-86.288 10.912,-87 25.994,-87 v1(27.5,-88.506)
SNES_3V3_#CART: J2.52 U9.4 | length 103.5
  Top Layer w0.254: U9.4 24.125,-54.375 v1(30.5,-48) ; J2.52 75.351,-6.38 75.5,-6.529 v1(75.5,-18.5)
  Bottom Layer w0.254: v1(30.5,-48) 60,-18.5 v1(75.5,-18.5)
SNES_3V3_#IRQ: J2.53 U8.3 | length 137.6
  Top Layer w0.254: U8.3 35.775,-21.225 69,12 v1(81,12)
  Bottom Layer w0.254: J2.53 79.2,-3.84 81,-2.04 v1(81,12)
SNES_3V3_#RD: J2.51 U8.5 | length 147.3
  Top Layer w0.254: U8.5 34.475,-21.846 69.058,12.736 81.764,12.736 v1(82.5,12)
  Bottom Layer w0.254: J2.51 73.08,-9 80.5,-9 82.5,-7 v1(82.5,12)
SNES_3V3_#RST: J2.49 U8.7 | length 160.5
  Top Layer w0.254: U8.7 33.175,-21.925 68.7,13.6 83.9,13.6 v1(85.5,12)
  Bottom Layer w0.254: J2.49 84,-14 85.5,-12.5 v1(85.5,12)
SNES_3V3_#WR: J2.50 U8.6 | length 154.3
  Top Layer w0.254: U8.6 33.825,-21.886 68.879,13.168 82.832,13.168 v1(84,12)
  Bottom Layer w0.254: J2.50 83,-11.46 84,-10.46 v1(84,12)
SNES_3V3_CPU_CLK: J2.48 U9.8 | length 89.5
  Top Layer w0.254: U9.8 21.525,-54.975 v1(30.5,-46)
  Bottom Layer w0.254: v1(30.5,-46) 58.432,-18.068 71.472,-18.068 J2.48
SNES_#CART: J1.49 U9.20 | length 38.8
  Top Layer w0.254: U9.20 23.488,-82.913 23.488,-84.088 v1(23.5,-84.1) ; J1.49 45.95,-89.592 ccw(c44.414,-89.592) v1(45.5,-88.506) 45.585,-88.421 45.585,-87.815 v1(47.2,-86.2)
  Bottom Layer w0.254: v1(23.5,-84.1) 33.778,-84.1 35.303,-82.575 46.351,-82.575 47.1,-83.324 47.1,-86.1 v1(47.2,-86.2)
SNES_#IRQ: J1.18 U8.21 | length 25.1
  Top Layer w0.254: v1(35.1,-84.1) 35.113,-84.087 35.113,-82.913 U8.21
  Bottom Layer w0.254: v1(35.1,-84.1) 41.6,-84.1 42.5,-83.2 45.95,-83.2 46.5,-83.75 v1(46.5,-88.506) ccw(c47.828,-89.834) 45.95,-89.834 J1.18
SNES_#RD: J1.23 U8.19 | length 12.8
  Top Layer w0.254: v1(33.5,-88.5) 33.5,-88.379 33.825,-88.054 U8.19
  Bottom Layer w0.254: J1.23 33.325,-88.922 cw(c33.922,-88.922) v1(33.5,-88.5)
SNES_#RST: J1.26 U8.17 | length 16.3
  Top Layer w0.254: v1(26,-88.506) 28.473,-86.033 30.017,-86.033 32.405,-83.644 32.405,-83.598 32.525,-83.478 U8.17
  Bottom Layer w0.254: J1.26 25.75,-89.11 cw(c26.604,-89.11) v1(26,-88.506)
SNES_#WR: J1.54 U8.18 | length 13.1
  Top Layer w0.254: U8.18 33.175,-87.825 v1(32.5,-88.5) 32.581,-88.581 cw(c30.785,-90.377) 33.325,-90.377 J1.54
SNES_CPU_CLK: J1.57 U9.16 | length 14.5
  Top Layer w0.254: U9.16 20.875,-84.375 v1(25,-88.5) 25.006,-88.506 cw(c23.21,-90.302) 25.75,-90.302 J1.57
SNESCTRLLVL_DIR: J4.2 U8.2 | length 96.2
  Top Layer w0.254: U8.2 36.425,-79 36.993,-79.568 62.932,-79.568 88.364,-54.136 88.364,-34.136 94.42,-28.08 J4.2
pads on no net: J2.0 J2.1 J2.2 J2.3 J2.4 J2.7 J2.8 J2.10 J2.11 J2.12 J2.13 J2.14 J2.15 J2.16 J2.17 J2.18 J2.19 J2.20 J2.21 J2.22 J2.23 J2.55 J2.56 J2.57 J3.5 J3.6 J4.3 J4.5 J4.6 J4.8 J4.9 J4.10 J4.11 U2.23 U3.3 U3.5 U3.9 U3.10 U3.11 U3.12 U3.13 U3.14 U3.15 U4.23 U6.23 U7.23 U8.4 U8.8 U8.9 U8.10 U8.14 U8.15 U8.16 U8.20 U8.23 U9.3 U9.5 U9.6 U9.7 U9.9 U9.10 U9.14 U9.15 U9.17 U9.18 U9.19 U9.21 U9.23

## Polygon pours and split planes (outlines as drawn)
+3V3 on Top Layer "CASE_POUR" (solid, pour order 2): 12.3,-61.546 12.3,-63.654 17.892,-63.654 18.266,-64.028 18.266,-78.84 18.815,-79.136 19.512,-79.136 79.6,-79.136 79.6,-72.95 77.191,-70.541 25.425,-70.541 25.425,-61.927 22.898,-59.4 13.3,-59.4
+5V on Top Layer "CASE_POUR" (solid, pour order 1): 19.6,-88.8 19.575,-88.775 19.575,-84.775 18.997,-84.775 17.7,-83.478 17.7,-81.7 79.1,-81.7 79.6,-81.2 79.6,-80.1 18.532,-80.1 18,-79.568 18,-64.4 17.4,-63.8 17.3,-63.9 9.8,-63.9 9.8,-61.3 7.9,-59.4 4.8,-59.4 4.8,-88.2 5.4,-88.8
GND on Bottom Layer "CASE_POUR" (solid, pour order 0): 0,-89.5 102,-89.5 102,-72.5 100.5,-72.5 100.5,-66 98,-66 98,-64.5 102,-64.5 102,-40 106,-36 106,5 96,15 35,15 20,0 20,-40 5,-40 0,-45 0,-72.5 4,-72.5 4,-74 1.5,-74 1.5,-80.5 0,-80.5

## Silkscreen, mask and mechanical layers (free items; w line width, h text height)
Top Solder:
  rectangle: 21,-99.5 81,-90.5
Bottom Solder:
  rectangle: 21,-99.5 81,-90.5
Board Outline:
  lines w0.1: 106,5 96,15 35,15 20,0 20,-40 5,-40 0,-45 0,-72.5 4,-72.5 4,-74 1.5,-74 1.5,-80.5 0,-80.5 0,-89.5 21,-89.5 21,-99.5 81,-99.5 81,-89.5 102,-89.5 102,-72.5 100.5,-72.5 100.5,-66 98,-66 98,-64.5 102,-64.5 102,-40 106,-36 106,5 ; 106,5 106,5